# Altium PCB Neon-Demon-Earing-revB.PcbDoc
Units mm, origin at the board's own origin, x right, y up, seen from the top; angles counter-clockwise.
Board outline 8.16 x 6.59 mm, 2 copper layers (Top Layer, Bottom Layer); 5 components, 5 nets, 17 pads, 3 vias.
Unrouted connection lines stored in the file: 1.
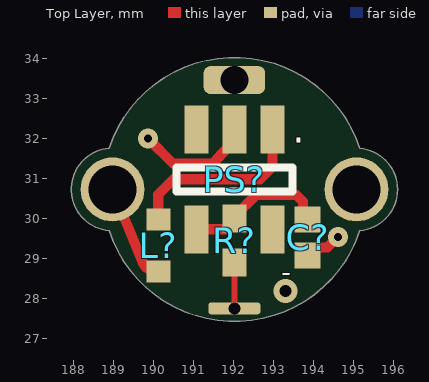
[diagram p0: Top Layer view]
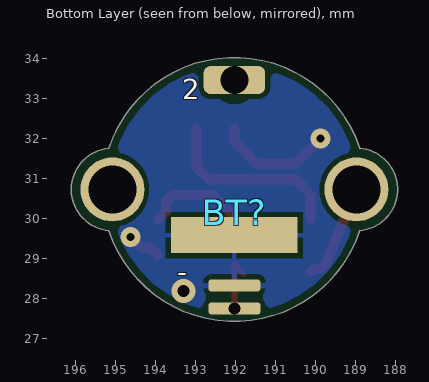
[diagram p1: Bottom Layer view, seen from below]
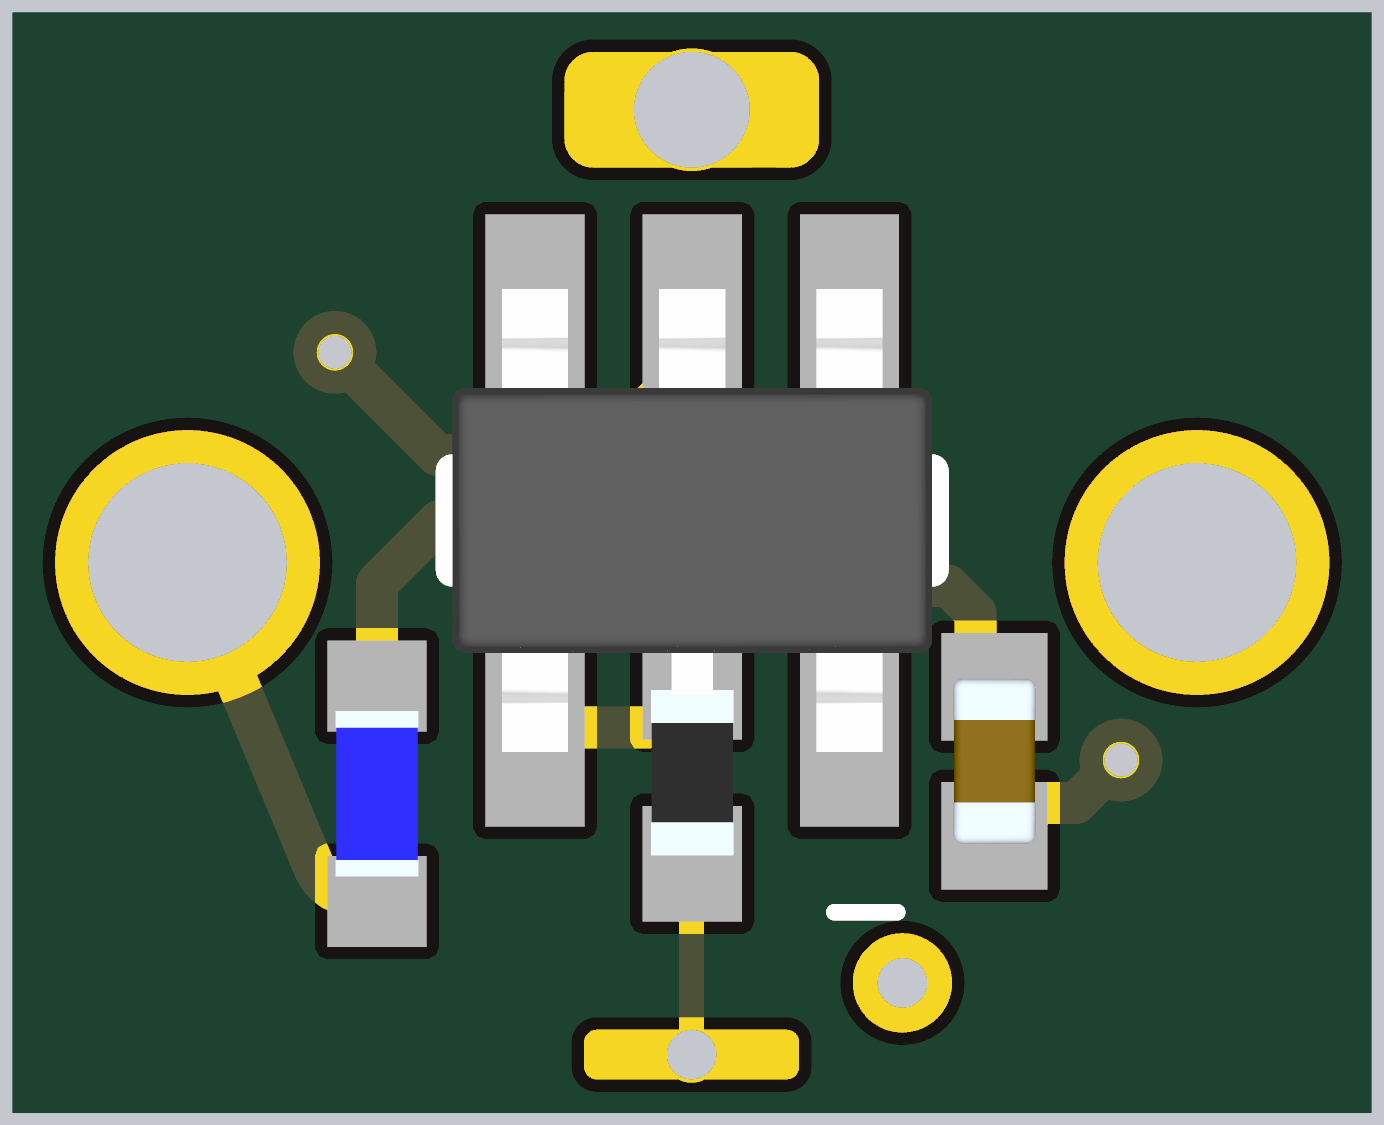
[diagram p2: 3D render of the assembled board from above, using the file's embedded part models]

## Layer stack, top to bottom
Top Solder: solder mask 0.0102, Solder Resist, Dk 3.5
Top Layer: signal copper 0.0356
Dielectric 1: dielectric 0.32, FR-4, Dk 4.8
Bottom Layer: signal copper 0.0356
Bottom Solder: solder mask 0.0102, Solder Resist, Dk 3.5

## Board outline
188.889,29.704 ccw(c192.024,30.734) 195.16,29.707 195.165,29.706 ccw(c195.07,30.734) 195.166,31.762 195.159,31.765 ccw(c192.024,30.734) 188.89,31.767 188.892,31.763 ccw(c188.974,30.734)

## Design rules (kind name [scope] priority, off if disabled: settings)
BoardOutlineClearance [All] p1: gap=0.2 ignorepadtopadclearanceinfootprint=FALSE
Clearance [All] p1: gap=0.127 ignorepadtopadclearanceinfootprint=FALSE except(0.25: Arc-Hole Track-Hole SMDPad-Hole THPad-Hole Via-Hole Fill-Hole Poly-Hole Region-Hole Text-Hole)
ComponentClearance [All] p1: gap=0.127 collisioncheckmode=3 verticalgap=0.127 showdistances=TRUE
DiffPairsRouting [All] p1: maxlimit=0.254 minlimit=0.127 mostfreqgap=0.127 toplayer_minwidth=0.127 toplayer_maxwidth=25.4 toplayer_prefwidth=0.127 bottomlayer_minwidth=0.127 bottomlayer_maxwidth=25.4 bottomlayer_prefwidth=0.127 maxuncoupledlength=12.7
Height [All] p1: minheight=0 maxheight=1816.048 prefheight=12.7
HoleSize [All] p1: absolutevalues=TRUE maxlimit=6.3 minlimit=0.3 maxpercent=80.000 minpercent=20.000
HoleToHoleClearance [All] p1: gap=0.25 allowstackedmicrovias=FALSE
MinimumAnnularRing [All] p1: minimumring=0.076
MinimumSolderMaskSliver [All] p1: minsoldermaskwidth=0
PlaneClearance [All] p1: clearance=0.127
PlaneConnect PlaneConnectPowerPads [InPadClass('PowerPads')] p1: planeconnectstyle=Direct reliefexpansion=0.508 reliefentries=4 reliefconductorwidth=0.254 reliefairgap=0.254
PlaneConnect [All] p2: pad.planeconnectstyle=Relief pad.reliefexpansion=0.3 pad.reliefentries=4 pad.reliefconductorwidth=0.127 pad.reliefairgap=0.127 via.planeconnectstyle=Direct via.reliefexpansion=0.3 via.reliefentries=4 via.reliefconductorwidth=0.127 via.reliefairgap=0.127
PolygonConnect PolygonConnectPowerPads [All vs (InPadClass('PowerPads'))] p1: connectstyle=Direct reliefconductorwidth=0.254 reliefentries=4 polygonreliefangle="90 Angle" airgapwidth=0.254
PolygonConnect [All] p2: thpad.connectstyle=Relief thpad.reliefconductorwidth=0.127 thpad.reliefentries=4 thpad.polygonreliefangle="90 Angle" thpad.airgapwidth=0.127 smdpad.connectstyle=Relief smdpad.reliefconductorwidth=0.127 smdpad.reliefentries=4 smdpad.polygonreliefangle="90 Angle" smdpad.airgapwidth=0.127 via.connectstyle=Direct via.reliefconductorwidth=0.127 via.reliefentries=4 via.polygonreliefangle="90 Angle" via.airgapwidth=0.127
RoomDefinition Neon-Demon-Earing-revB [InComponentClass('Neon-Demon-Earing-revB')] p1: confinementstyle=ConfineIn formatcopy=TRUE lockcomponents=FALSE outline 0,0 50.8,0 50.8,25.4 0,25.4
RoutingVias [All] p1: holewidth=0.3 width=0.6 viastyle="Through Hole" minholewidth=0.3 minwidth=0.6 maxholewidth=0.6 maxwidth=6.6
SilkToSilkClearance [All] p1: silktosilkclearance=0
SilkToSolderMaskClearance [IsPad] p1: minsilkscreentomaskgap=0.127 clearancetoexposedcopper=TRUE
SolderMaskExpansion [All] p1: expansion=0.075 istentingtop=FALSE
Width [All] p1: maxlimit=25.4 minlimit=0.127 preferedwidth=0.127 minimp=50.000000 maximp=50.000000 favimp=50.000000
20 further rules are at their usual default settings.

## Components (designator, comment, footprint, x,y, rotation, side; value= is the part's Value field where it differs from the comment)
BT? "2987" BAT_2987 192.024,30.734 r0 bottom
C? "04023A0R8CAT2A" CAPC1005X56N 193.85,29.533 r270 top
L? "MLF1005G2R2JT000" INDC1005X55N 190.119,29.337 r90 top
PS? "TPS613221ADBVR" SOT95P280X145-5N 192.024,30.988 r270 top
R? "CPF0402B100KE" RESC1005X35N 192.024,29.464 r90 top

## Footprints (in the part's own frame and the unit in brackets; to place one, negate y for a bottom-side part, rotate by r counter-clockwise, add the part's x,y. Pads: shape width x height; smd on the part's side, far side on the other; paste and mask are expansions set on the pad)
BAT_2987 [mm]
  rect 3.17x0.9 smd paste-3: N(0,1.143)
  round 1.6 hole 1.2: P1(-3.05,0) P2(3.05,0)
CAPC1005X56N [mm]
  rect 0.65x0.64 smd: 1(-0.45,0) 2(0.45,0)
  body extent -0.5,-0.25 0.5,0.25, height 0.56
INDC1005X55N [mm]
  rect 0.55x0.6 smd: 1(-0.65,0) 2(0.65,0)
  body extent -0.5,-0.25 0.5,0.25, height 0.55
RESC1005X35N [mm]
  rect 0.7x0.6 smd: 1(-0.55,0) 2(0.55,0)
  body extent -0.5,-0.25 0.5,0.25, height 0.35
SOT95P280X145-5N [mm]
  rect 1.2x0.6 smd: 1(-1.25,0.95) 2(-1.25,0) 3(-1.25,-0.95) 4(1.25,-0.95) 5(1.25,0.95)
  silkscreen extent -0.3,-1.45 0.3,1.45, body extent -1.4,-1.45 1.4,1.45, height 1.2

## Part data
BT?: Package=None, Availability=Unavailable, MP=2987, Price=None
C?: "Capacitor", Manufacturer_Name=AVX, Mouser Part Number=581-04023A0R8CAT2A, Datasheet Link=http://www.mouser.com/catalog/supplier/library/pdf/AVXSurfaceMountCeramic.pdf, Height=0.56mm, Manufacturer_Part_Number=04023A0R8CAT2A, Mouser Price/Stock=https://www.mouser.co.uk/ProductDetail/AVX/04023A0R8CAT2A?qs=ZwvTZoB9SO%252BVBOZ%252BNMbjzw%3D%3D
L?: "Inductor", Manufacturer_Name=TDK-Lambda, Mouser Part Number=810-MLF1005G2R2JT000, Datasheet Link=https://product.tdk.com/system/files/dam/doc/product/inductor/inductor/smd/catalog/inductor_commercial_standard_mlf1005_en.pdf, Height=0.55mm, Manufacturer_Part_Number=MLF1005G2R2JT000, Mouser Price/Stock=https://www.mouser.co.uk/ProductDetail/TDK/MLF1005G2R2JT000?qs=%2FPzWLGNeQ%252BhXmsvIBrs2gg%3D%3D
PS?: "Power Supply", Manufacturer_Name="Texas Instruments", Mouser Part Number=595-TPS613221ADBVR, Arrow Part Number=TPS613221ADBVR, Arrow Price/Stock=https://www.arrow.com/en/products/tps613221adbvr/texas-instruments?region=nac, Datasheet Link=http://www.ti.com/lit/gpn/tps61322, Height=1.45mm, Manufacturer_Part_Number=TPS613221ADBVR, Mouser Price/Stock=https://www.mouser.co.uk/ProductDetail/Texas-Instruments/TPS613221ADBVR?qs=W0yvOO0ixfEzYGaKZaJgrw%3D%3D
R?: "Resistor", Manufacturer_Name="TE Connectivity", Mouser Part Number=279-CPF0402B100KE, Arrow Part Number=CPF0402B100KE, Arrow Price/Stock=https://www.arrow.com/en/products/cpf0402b100ke/te-connectivity?region=nac, Datasheet Link=http://www.farnell.com/datasheets/1786775.pdf, Height=0.35mm, Manufacturer_Part_Number=CPF0402B100KE, Mouser Price/Stock=https://www.mouser.co.uk/ProductDetail/TE-Connectivity-Holsworthy/CPF0402B100KE?qs=CXI0wBT1M2h4W2Gm72yIGA%3D%3D

## Free pads (board coordinates)
  rrect50% 1.3x0.3 hole 0.3: 2(192.02,27.761)
  rrect50% 1.54x0.7 hole 0.7: 2(192.021,33.47)
  rrect50% 1.3x0.3 smd far side: 2(192.024,28.333)

## Via types
v1: diameter 0.5, hole 0.2, Top Layer to Bottom Layer, tented both sides, 2 vias
v2: diameter 0.6, hole 0.3, Top Layer to Bottom Layer, 1 vias

## Nets (pads, with @x,y where several pads share a name; then routed paths per layer and width w, separated by ;. In a path a pad name is that pad's centre, name@x,y a point inside that pad or via, vN(x,y) a via of type N, cw(c..) or ccw(c..) an arc to the next point about the centre after c; other vN are vias at no path point)
3V3: pad.2@192.02,27.761 R?.1 | length 1.4
  Top Layer w0.15: R?.1@191.799,28.639 191.986,28.826 R?.1@191.986,28.847 ; pad.2@192.02,27.761 192.02,27.836 192.02,28.639 R?.1
GND: BT?.N C?.2 pad.2@192.024,28.333 PS?.2 | length 3.8
  Top Layer w0.254: v1(189.865,32.004) 190.485,31.384 191.479,31.384 191.659,31.564 191.659,31.573 192.024,31.938 PS?.2 ; C?.2@193.943,29.102 194.122,29.281 194.343,29.281 194.602,29.54 v1(194.615,29.54)
  other v2: 193.294,28.194
NetC?_1: C?.1 PS?.4 R?.2 | length 3.7
  Top Layer w0.254: PS?.4 191.798,29.738 192.024,29.964 R?.2 192.024,30.064 192.552,30.592 193.574,30.592 193.736,30.43 193.736,30.176 C?.1@193.929,29.983
NetL?_2: L?.2 PS?.1 | length 4.7
  Top Layer w0.254: L?.2 190.119,30.607 190.5,30.988 192.659,30.988 192.974,31.303 PS?.1
VBAT: BT?.P1 BT?.P2 L?.1 | length 2.5
  Top Layer w0.254: BT?.P1 189.744,28.881 ; 189.744,28.88 ccw(c189.978,28.978) 189.85,28.759 189.946,28.759 L?.1
pads on no net: PS?.3 PS?.5

## Polygon pours and split planes (outlines as drawn)
GND on Bottom Layer "NONET_L-01_P-001" (solid, pour order 0): 188.889,29.704 ccw(c192.024,30.734) 195.16,29.707 195.165,29.706 ccw(c195.07,30.734) 195.166,31.762 195.159,31.765 ccw(c192.024,30.734) 188.89,31.767 188.892,31.763 ccw(c188.974,30.734)

## Silkscreen, mask and mechanical layers (free items; w line width, h text height)
Top Overlay:
  text "." at 193.779,31.9 h0.7
  text "-" at 193.448,28.425 h0.5
Bottom Overlay:
  text "2" at 193.321,32.993 h0.5
  text "-" at 193.448,28.425 h0.5
Board:
  circle w0.1: c195.07,30.734 r0.588
  circle w0.1: c188.974,30.734 r0.588
  lines w0.05: 188.887,29.706 cw(c188.974,30.734) 188.892,31.763 ; 188.889,29.704 ccw(c192.024,30.734) 195.16,29.707 ; 188.89,31.767 cw(c192.024,30.734) 195.159,31.765 ; 195.165,29.706 ccw(c195.07,30.734) 195.166,31.762